# Altium PCB A车主控四层板V1.0.PcbDoc (part 2 of 2)
Units mil, origin at the board's own origin, x right, y up, seen from the top; angles counter-clockwise.
Board outline 6000 x 4000 mil, 2 copper layers (Top Layer, Bottom Layer); 110 components, 147 nets, 490 pads, 210 vias.
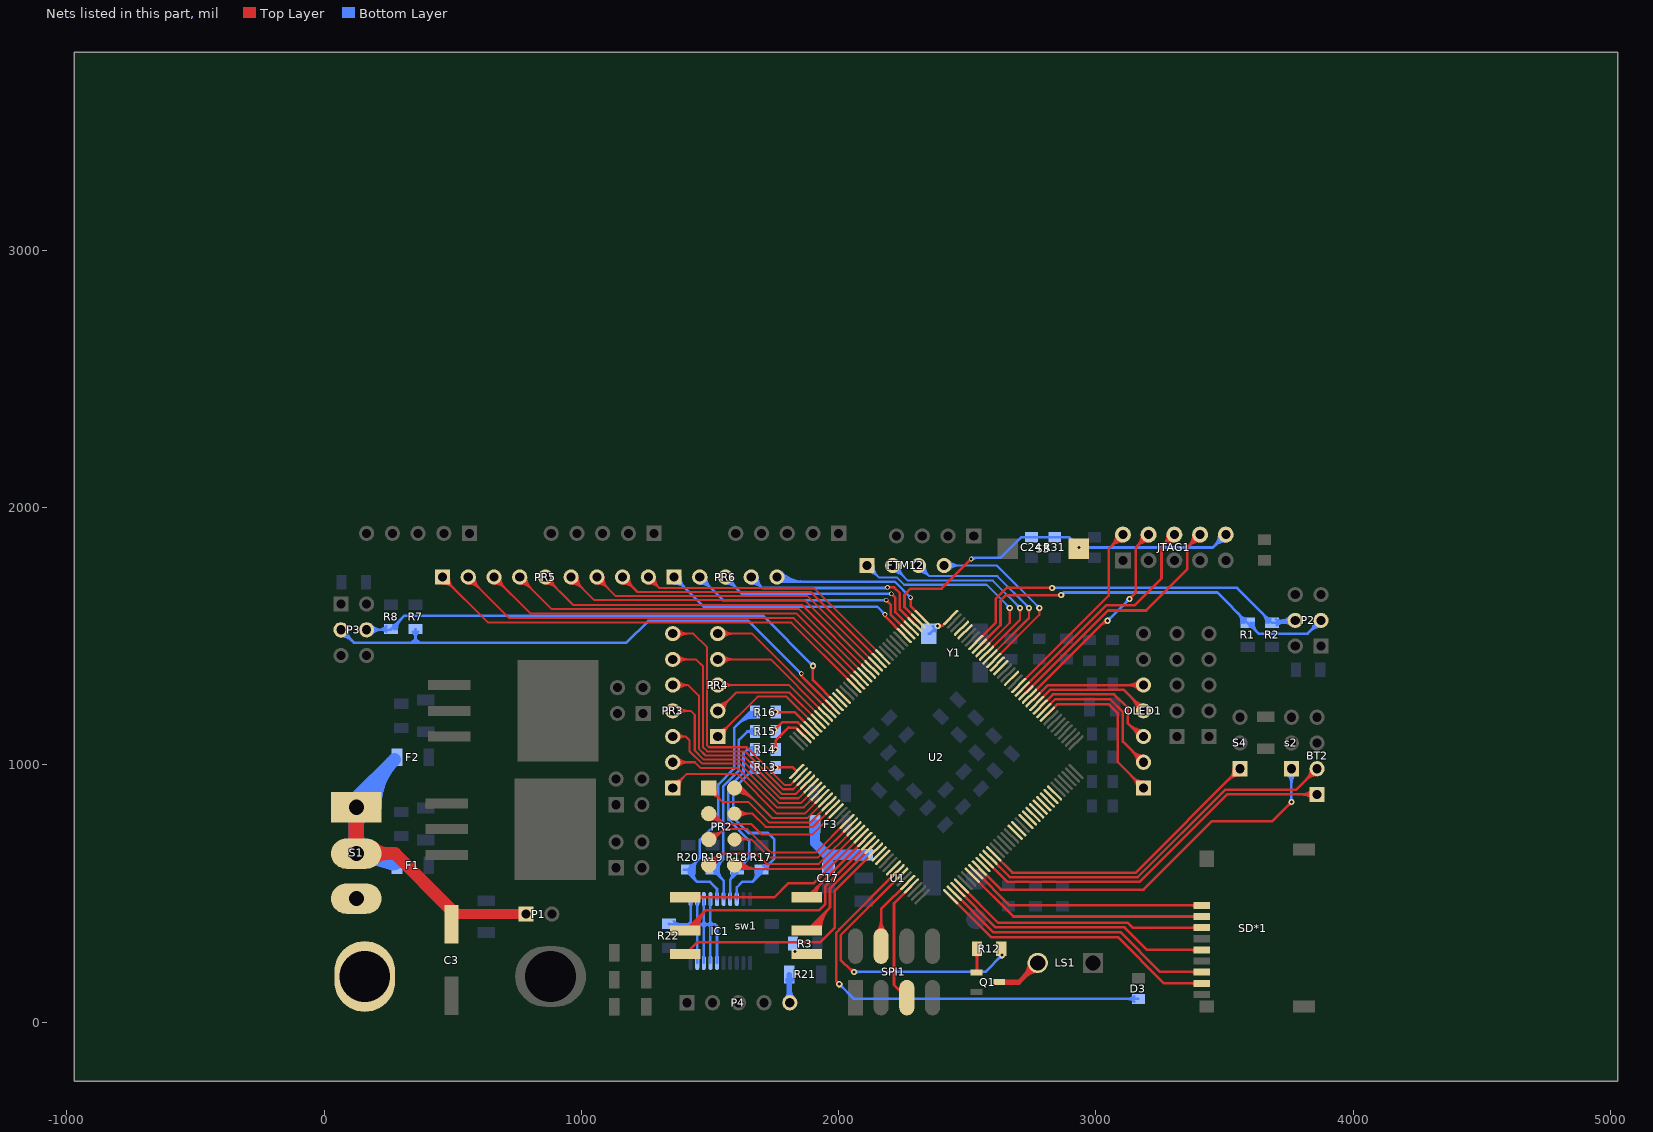
[diagram p2: the nets of this part, all layers, seen from the top]

## Via types
v1: diameter 18, hole 12, Top Layer to Bottom Layer, 160 vias
v2: diameter 24, hole 12, Top Layer to Bottom Layer, 46 vias
v3: diameter 39.37, hole 39.37, Top Layer to Bottom Layer, 2 vias
v4: diameter 30, hole 15, Top Layer to Bottom Layer, 1 vias
v5: diameter 34, hole 20, Top Layer to Bottom Layer, 1 vias

## Nets (pads, with @x,y where several pads share a name; then routed paths per layer and width w, separated by ;. In a path a pad name is that pad's centre, name@x,y a point inside that pad or via, vN(x,y) a via of type N, cw(c..) or ccw(c..) an arc to the next point about the centre after c; other vN are vias at no path point) (continued)
NetIC1_6: IC1.6 IC1.7 IC1.8 IC1.9 IC1.11 IC1.12 IC1.13 IC1.14 R22.2 | length 1428.8
  Bottom Layer w10: R22.2@1340,382.24 1342.24,380 1415,380 ; R22.2@1358.26,371.86 cw(c1377.91,352.21) 1377.91,380 ; R22.2@1358.26,392.63 ccw(c1388.74,423.11) 1388.74,380 ; IC1.11@1424.68,478.03 1424.68,389.68 ; IC1.9@1450.28,230 1450.28,370 ; IC1.12@1450.28,478.03 1450.28,390 ; IC1.8@1475.87,230 1475.87,370 ; IC1.13@1475.87,478.03 1475.87,390 ; IC1.7@1501.46,230 1501.46,370 ; IC1.14@1501.46,478.03 1501.46,390 ; IC1.6@1527.05,230 1527.05,372.95 1520,380 1511.46,380 ; 1415,380 1424.68,380 ; 1415,380 1424.68,389.68 ; 1424.68,380 1424.68,389.68 ; 1424.68,380 1425,380 1434.37,380 ; 1424.68,389.68 1434.37,380 ; 1434.37,380 1440.28,380 ; 1440.28,380 1450.28,370 ; 1440.28,380 1450.28,380 ; 1440.28,380 1450.28,390 ; 1450.28,370 1450.28,380 ; 1450.28,370 1460.28,380 ; 1450.28,380 1460.28,380 ; 1450.28,380 1450.28,390 ; 1450.28,390 1460.28,380 ; 1460.28,380 1465.87,380 ; 1465.87,380 1475.87,370 ; 1465.87,380 1475.87,380 ; 1465.87,380 1475.87,390 ; 1475.87,370 1475.87,380 ; 1475.87,370 1485.87,380 ; 1475.87,380 1485.87,380 ; 1475.87,380 1475.87,390 ; 1475.87,390 1485.87,380 ; 1485.87,380 1491.46,380 ; 1491.46,380 1501.46,370 ; 1491.46,380 1501.46,380 ; 1491.46,380 1501.46,390 ; 1501.46,370 1501.46,380 ; 1501.46,370 1511.46,380 ; 1501.46,380 1511.46,380 ; 1501.46,380 1501.46,390 ; 1501.46,390 1511.46,380
NetLS1_2: LS1.2A Q1.3 | length 292.3
  Top Layer w20: Q1.3@2624.29,155 2700,155 LS1.2A@2774.43,229.43 ; 2723.1,178.1 ccw(c2671.29,229.92) LS1.2A@2744.57,229.92 ; 2725.48,180.48 cw(c2773.94,132.02) LS1.2A@2773.94,200.55
NetP4_5: P4.5 R21.2 | length 225.3
  Bottom Layer w20: P4.5@1796.19,88.81 ccw(c1767.7,117.3) 1807.99,117.3 ; R21.2@1800.45,163.68 cw(c1782.23,145.46) 1807.99,145.46 cw(c1833.75,145.46) R21.2@1815.54,163.68 ; 1807.99,126.99 ccw(c1861.99,126.99) P4.5@1823.81,88.81 ; R21.2@1807.99,185 1807.99,77.01 P4.5@1810,75
NetQ1_2: Q1.1 R12.1 | length 167.5
  Top Layer w10: R12.1@2527.37,266.74 cw(c2502.3,241.67) 2537.76,241.67 cw(c2573.21,241.67) R12.1@2548.14,266.74 ; Q1.1@2530.89,197.22 ccw(c2514.32,213.79) 2537.76,213.79 ; Q1.1@2535.71,192.4 2537.76,194.45 R12.1@2537.76,285
NetR3_2: R3.2 sw1.4
  other v1: 1830,275
NetR13_1: R13.1 U2.109 | length 115.2
  Top Layer w10: v2(1755,990) 1821.69,990 U2.109@1837.26,974.43 ; v2@1759.95,985.05 cw(c1771.9,973.1) 1771.9,990 cw(c1771.9,1006.9) v2@1759.95,994.95
NetR14_1: R14.1 U2.106 | length 223.7
  Top Layer w10: v2@1750.05,1064.95 ccw(c1738.1,1076.9) 1755,1076.9 ccw(c1771.9,1076.9) v2@1759.95,1064.95 ; v2(1755,1060) 1755,1095 1805.18,1145.18 ; 1805.36,1145 1833.5,1145 U2.106@1865.09,1113.4 ; 1823.82,1145 cw(c1823.82,1121.62) U2.106@1840.34,1138.15
NetR15_1: R15.1 U2.105 | length 183.6
  Top Layer w10: v2(1750,1135) 1780,1165 1841.34,1165 U2.105@1879.01,1127.32 ; v2@1750,1142 ccw(c1750,1158.9) 1761.95,1146.95 ccw(c1773.9,1135) v2@1757,1135
NetR16_1: R16.1 U2.104 | length 190.9
  Top Layer w10: v2(1755,1205) 1829.18,1205 U2.104@1892.93,1141.24 ; v2@1759.95,1200.05 cw(c1771.9,1188.1) 1771.9,1205 cw(c1771.9,1221.9) v2@1759.95,1209.95
OLEDCLK: OLED1.5 U2.49 | length 601.2
  Top Layer w10: U2.49@2755.71,1252.6 2813.11,1310 OLED1.5@3185,1310 ; OLED1.5@3167.66,1292.66 ccw(c3125.79,1250.79) 3125.79,1310 ccw(c3125.79,1369.21) OLED1.5@3167.66,1327.34 ; OLED1.5@3174.73,1299.73 ccw(c3149.93,1274.93) 3149.93,1310 ccw(c3149.93,1345.07) OLED1.5@3174.73,1320.27
OLEDCS: OLED1.1 U2.45 | length 783.6
  Top Layer w10: U2.45@2811.39,1196.92 2849.47,1235 3050.36,1235 3085,1200.36 3085,1010 OLED1.1@3185,910 ; OLED1.1@3160.47,910 ccw(c3101.26,910) 3143.13,951.87 ccw(c3185,993.74) OLED1.1@3185,934.53 ; OLED1.1@3170.47,910 ccw(c3135.4,910) 3160.2,934.8 ccw(c3185,959.6) OLED1.1@3185,924.53
OLEDDC: OLED1.2 U2.46 | length 723.2
  Top Layer w10: U2.46@2797.47,1210.84 2841.63,1255 3055.81,1255 3105,1205.81 3105,1090 OLED1.2@3185,1010 ; OLED1.2@3160.47,1010 ccw(c3101.26,1010) 3143.13,1051.87 ccw(c3185,1093.74) OLED1.2@3185,1034.53 ; OLED1.2@3170.47,1010 ccw(c3135.4,1010) 3160.2,1034.8 ccw(c3185,1059.6) OLED1.2@3185,1024.53
OLEDMISO: OLED1.4 U2.48 | length 604.4
  Top Layer w10: U2.48@2769.63,1238.68 2822.95,1292 3108,1292 3185,1215 OLED1.4@3185,1210 ; 3139.59,1260.41 cw(c3089.19,1210) OLED1.4@3160.47,1210 ; 3151.66,1248.34 ccw(c3185,1281.67) OLED1.4@3185,1234.53 ; 3156.66,1243.34 cw(c3123.33,1210) OLED1.4@3170.47,1210
OLEDRST: OLED1.3 U2.47 | length 664.4
  Top Layer w10: U2.47@2783.55,1224.76 2832.79,1274 3071,1274 3123,1222 3123,1162 3175,1110 OLED1.3@3185,1110 ; 3126.06,1158.94 ccw(c3185,1217.88) OLED1.3@3185,1134.53 ; 3143.13,1141.87 ccw(c3185,1183.74) OLED1.3@3185,1124.53 ; 3150.2,1134.8 cw(c3125.4,1110) OLED1.3@3160.47,1110
PCS0: SPI1.6 U2.140 | length 439
  Top Layer w10: SPI1.6@2147.66,351.71 ccw(c2105.79,393.58) 2165,393.58 ccw(c2224.21,393.58) SPI1.6@2182.34,351.71 ; SPI1.6@2154.73,344.64 ccw(c2129.93,369.44) 2165,369.44 ccw(c2200.07,369.44) SPI1.6@2175.27,344.64 ; SPI1.6@2165,295 2165,439.18 U2.140@2268.76,542.93
"PGA0 DM": U2.28
"PGA0 PM": U2.27
"PGA1 DM": U2.30
"PGA1 PM": U2.29
"PGA2 DM": U2.24
"PGA2 DP": U2.23
"PGA3 DM": U2.26
"PGA3 PM": U2.25
PTA5: U2.55
PTA6: U2.58
PTA7: U2.59
PTA8: FTM12.4 U2.60 | length 940.1
  Top Layer w8: U2.60@2602.6,1405.71 2780,1583.11 v2(2780,1610) ; v2@2774.34,1604.34 cw(c2760.69,1590.69) 2780,1590.69 cw(c2799.31,1590.69) v2@2785.66,1604.34
  Bottom Layer w8: FTM12.4@2410,1775 2615,1775 v2(2780,1610) ; FTM12.4@2422.39,1762.61 cw(c2452.32,1732.68) 2452.32,1775 cw(c2452.32,1817.32) FTM12.4@2422.39,1787.39 ; FTM12.4@2428.05,1756.95 cw(c2471.63,1713.37) 2471.63,1775 cw(c2471.63,1836.63) FTM12.4@2428.05,1793.05 ; v2@2772,1610 ccw(c2752.69,1610) 2766.34,1623.66 ccw(c2780,1637.31) v2@2780,1618
PTA9: FTM12.3 U2.61 | length 968.6
  Top Layer w8: U2.61@2588.68,1419.63 2740,1570.95 v2(2740,1610) v2@2740,1615 ; v2@2734.34,1604.34 cw(c2720.69,1590.69) 2740,1590.69 cw(c2759.31,1590.69) v2@2745.66,1604.34
  Bottom Layer w8: FTM12.3@2310,1775 2351.53,1733.47 ; FTM12.3@2310.61,1757.48 cw(c2311.91,1719.89) 2338.51,1746.49 cw(c2365.11,1773.09) FTM12.3@2327.52,1774.39 ; FTM12.3@2310.89,1749.49 cw(c2312.79,1694.73) 2351.53,1733.47 ; FTM12.3@2335.51,1774.11 ccw(c2390.27,1772.21) 2351.53,1733.47 ; v2@2732,1610 ccw(c2712.69,1610) 2726.34,1623.66 ccw(c2740,1637.31) v2@2740,1618 ; v2(2740,1610) 2616.53,1733.47 2351.53,1733.47
PTA10: FTM12.2 U2.62 | length 1022.7
  Top Layer w8: U2.62@2574.76,1433.55 2705,1563.79 v2(2705,1610) v2@2705,1615 ; v2@2699.34,1604.34 cw(c2685.69,1590.69) 2705,1590.69 cw(c2724.31,1590.69) v2@2710.66,1604.34
  Bottom Layer w8: FTM12.2@2210,1749.47 cw(c2210,1687.84) 2253.58,1731.42 cw(c2297.16,1775) FTM12.2@2235.53,1775 ; FTM12.2@2210,1757.47 cw(c2210,1715.16) 2239.92,1745.08 cw(c2269.84,1775) FTM12.2@2227.53,1775 ; FTM12.2@2210,1775 2269,1716 2599,1716 v2(2705,1610) ; v2@2697,1610 ccw(c2677.69,1610) 2691.34,1623.66 ccw(c2705,1637.31) v2@2705,1618
PTA11: FTM12.1 U2.63 | length 1053
  Top Layer w8: U2.63@2560.84,1447.47 2665,1551.63 v2(2665,1610) ; v2@2659.34,1604.34 cw(c2645.69,1590.69) 2665,1590.69 cw(c2684.31,1590.69) v2@2670.66,1604.34
  Bottom Layer w8: FTM12.1@2110,1749.47 cw(c2110,1687.84) 2153.58,1731.42 cw(c2197.16,1775) FTM12.1@2135.53,1775 ; FTM12.1@2110,1757.47 cw(c2110,1715.16) 2139.92,1745.08 cw(c2169.84,1775) FTM12.1@2127.53,1775 ; FTM12.1@2110,1775 2156,1729 2226,1729 2255,1700 2575,1700 v2(2665,1610) ; v2@2657,1610 ccw(c2637.69,1610) 2651.34,1623.66 ccw(c2665,1637.31) v2@2665,1618
PTA12: P2.3 R1.1 U2.64 | length 1865
  Top Layer w10: U2.64@2546.92,1461.39 2629,1543.47 2629,1638.54 2650.46,1660 v2(2865,1660)
  Bottom Layer w10: v2(2865,1660) 2875,1670 3472.24,1670 R1.1@3590,1552.24 3632.24,1510 3823.32,1510 P2.3@3875,1561.68 ; 3551.49,1590.75 cw(c3512.98,1552.24) R1.1@3567.44,1552.24 ; 3568.56,1573.68 cw(c3547.12,1552.24) R1.1@3577.44,1552.24 ; R1.1@3570.5,1571.75 ccw(c3582.13,1583.37) R1.1@3582.13,1566.93 ; R1.1@3597.87,1537.56 cw(c3597.87,1521.12) R1.1@3609.5,1532.74 ; R1.1@3602.56,1552.24 ccw(c3632.88,1552.24) 3611.44,1530.8 ; R1.1@3612.56,1552.24 ccw(c3667.02,1552.24) 3628.51,1513.73 ; P2.3@3850.47,1561.68 cw(c3791.26,1561.68) 3833.13,1519.81 cw(c3875,1477.94) P2.3@3875,1537.15 ; P2.3@3860.47,1561.68 cw(c3825.4,1561.68) 3850.2,1536.88 cw(c3875,1512.08) P2.3@3875,1547.15
PTA13: P2.4 R2.2 U2.65 | length 1815.2
  Top Layer w10: U2.65@2533,1475.31 2611,1553.31 2611,1646 2653,1688 v2(2830,1688)
  Bottom Layer w10: v2(2830,1688) 3549.24,1688 R2.2@3685,1552.24 3765.57,1552.24 P2.4@3775,1561.68 ; 3646.49,1590.75 cw(c3607.98,1552.24) R2.2@3662.44,1552.24 ; 3663.56,1573.68 cw(c3642.12,1552.24) R2.2@3672.44,1552.24 ; R2.2@3665.5,1571.75 ccw(c3677.13,1583.37) R2.2@3677.13,1566.93 ; R2.2@3693.01,1552.24 ccw(c3693.01,1643.67) P2.4@3757.66,1579.02 ; R2.2@3700.22,1564.96 ccw(c3718,1595.77) 3727.21,1561.41 ; R2.2@3703.26,1541.86 cw(c3728.33,1516.79) 3728.33,1552.24 cw(c3728.33,1587.7) R2.2@3703.26,1562.63 ; R2.2@3705.59,1544.9 cw(c3736.19,1527.24) 3727.05,1561.36 ; 3717.15,1552.24 ccw(c3717.15,1619.52) P2.4@3764.73,1571.95 ; 3738.56,1552.24 cw(c3738.56,1525.24) P2.4@3757.66,1544.33 ; 3741.3,1552.24 ccw(c3741.3,1595.38) P2.4@3771.8,1564.88
PTA16: U2.68
PTA17: U2.69
PTA18: U2.72 Y1.3 | length 228.2
  Top Layer w10: v2(2385,1540) 2402.82,1540 U2.72@2435.57,1572.74 ; v2@2389.95,1535.05 cw(c2401.9,1523.1) 2401.9,1540 cw(c2401.9,1556.9) v2@2389.95,1544.95
  Bottom Layer w10: Y1.3@2350,1510 2355,1510 v2(2385,1540) cw(c2375.07,1549.93) Y1.3@2366.05,1539.16 ; Y1.3@2375,1520 cw(c2399.14,1520) v2@2382.07,1537.07 ; Y1.3@2375.51,1525.71 cw(c2388.66,1518.12) v2@2386.16,1533.1 ; Y1.3@2376.92,1528.14 ccw(c2365.45,1534.76) Y1.3@2378.24,1538.19 ; Y1.3@2378,1540 cw(c2361.1,1540) 2373.05,1528.05 cw(c2385,1516.1) v2@2385,1533
PTA19: PR6.5 U2.73 | length 944.5
  Top Layer w10: v1@2277.17,1647.17 cw(c2270.34,1640.34) 2280,1640.34 cw(c2289.66,1640.34) v1@2282.83,1647.17 ; v1(2280,1650) 2280,1617.18 U2.73@2324.43,1572.74
  Bottom Layer w10: PR6.5@1756.13,1726.13 ccw(c1790.24,1760.24) 1790.24,1712 ; PR6.5@1760,1730 1778,1712 2218,1712 v1(2280,1650) ; PR6.5@1763.2,1733.2 ccw(c1814.39,1784.39) 1814.39,1712 ; PR6.5@1770.27,1740.27 ccw(c1838.53,1808.53) 1838.53,1712 ; PR6.5@1777.34,1747.34 ccw(c1862.67,1832.67) 1862.67,1712 ; v1@2276,1650 ccw(c2266.34,1650) 2273.17,1656.83 ccw(c2280,1663.66) v1@2280,1654
PTA24: PR6.4 U2.75 | length 930.2
  Top Layer w10: v1(2190,1690) 2215,1690 2238,1667 2238,1603.5 U2.75@2296.59,1544.91 ; v1@2192.83,1687.17 cw(c2199.66,1680.34) 2199.66,1690 cw(c2199.66,1699.66) v1@2192.83,1692.83
  Bottom Layer w10: PR6.4@1660,1705.47 cw(c1660,1646.26) 1701.87,1688.13 cw(c1743.74,1730) PR6.4@1684.53,1730 ; PR6.4@1660,1715.47 cw(c1660,1680.4) 1684.8,1705.2 cw(c1709.6,1730) PR6.4@1674.53,1730 ; PR6.4@1660,1730 1702.53,1687.47 2187.47,1687.47 v1(2190,1690) ; 2174.24,1687.47 ccw(c2174.24,1705.76) v1@2187.17,1692.83
PTA25: PR6.3 U2.76 | length 1016.6
  Top Layer w10: v1@2205,1661 cw(c2205,1651.34) 2211.83,1658.17 cw(c2218.66,1665) v1@2209,1665 ; v1(2205,1665) 2220,1650 2220,1593.66 U2.76@2282.68,1530.99
  Bottom Layer w10: PR6.3@1560,1705.47 cw(c1560,1646.26) 1601.87,1688.13 cw(c1643.74,1730) PR6.3@1584.53,1730 ; PR6.3@1560,1715.47 cw(c1560,1680.4) 1584.8,1705.2 cw(c1609.6,1730) PR6.3@1574.53,1730 ; PR6.3@1560,1730 1625,1665 v1(2205,1665) ; v1@2202.17,1662.17 ccw(c2195.34,1655.34) 2195.34,1665 ccw(c2195.34,1674.66) v1@2202.17,1667.83
PTA26: PR6.2 U2.77 | length 1098.3
  Top Layer w10: v1@2185,1636 cw(c2185,1626.34) 2191.83,1633.17 cw(c2198.66,1640) v1@2189,1640 ; v1(2185,1640) 2202,1623 2202,1583.82 U2.77@2268.76,1517.07
  Bottom Layer w10: PR6.2@1460,1705.47 cw(c1460,1646.26) 1501.87,1688.13 cw(c1543.74,1730) PR6.2@1484.53,1730 ; PR6.2@1460,1715.47 cw(c1460,1680.4) 1484.8,1705.2 cw(c1509.6,1730) PR6.2@1474.53,1730 ; PR6.2@1460,1730 1550,1640 v1(2185,1640) ; v1@2182.17,1637.17 ccw(c2175.34,1630.34) 2175.34,1640 ccw(c2175.34,1649.66) v1@2182.17,1642.83
PTA27: PR6.1 U2.78 | length 1156.2
  Top Layer w10: v1(2180,1585) 2180,1577.98 U2.78@2254.84,1503.15
  Bottom Layer w10: PR6.1@1360,1705.47 cw(c1360,1646.26) 1401.87,1688.13 cw(c1443.74,1730) PR6.1@1384.53,1730 ; PR6.1@1360,1715.47 cw(c1360,1680.4) 1384.8,1705.2 cw(c1409.6,1730) PR6.1@1374.53,1730 ; PR6.1@1360,1730 1475,1615 2150,1615 v1(2180,1585) ; v1@2176,1585 ccw(c2166.34,1585) 2173.17,1591.83 ccw(c2180,1598.66) v1@2180,1589
PTB3: PR5.9 U2.84 | length 1194.1
  Top Layer w8: PR5.9@1260,1730 1302,1688 ; PR5.9@1260.46,1712.48 cw(c1261.49,1673.81) 1288.84,1701.16 cw(c1316.19,1728.51) PR5.9@1277.52,1729.54 ; PR5.9@1260.68,1704.48 cw(c1262.17,1648.17) 1302,1688 ; PR5.9@1285.52,1729.32 ccw(c1341.83,1727.83) 1302,1688 ; U2.84@2171.32,1419.63 1902.95,1688 1302,1688
PTB4: PR5.8 U2.85 | length 1295
  Top Layer w8: PR5.8@1160,1704.47 cw(c1160,1642.84) 1203.58,1686.42 cw(c1247.16,1730) PR5.8@1185.53,1730 ; PR5.8@1160,1712.47 cw(c1160,1670.16) 1189.92,1700.08 cw(c1219.84,1730) PR5.8@1177.53,1730 ; PR5.8@1160,1730 1218,1672 1891.11,1672 U2.85@2157.4,1405.71
PTB5: PR5.7 U2.86 | length 1386.8
  Top Layer w8: PR5.7@1060,1704.47 cw(c1060,1642.84) 1103.58,1686.42 cw(c1147.16,1730) PR5.7@1085.53,1730 ; PR5.7@1060,1712.47 cw(c1060,1670.16) 1089.92,1700.08 cw(c1119.84,1730) PR5.7@1077.53,1730 ; PR5.7@1060,1730 1134,1656 1879.27,1656 U2.86@2143.48,1391.79
PTB6: PR5.6 U2.87 | length 1478.7
  Top Layer w8: PR5.6@960,1704.47 cw(c960,1642.84) 1003.58,1686.42 cw(c1047.16,1730) PR5.6@985.53,1730 ; PR5.6@960,1712.47 cw(c960,1670.16) 989.92,1700.08 cw(c1019.84,1730) PR5.6@977.53,1730 ; PR5.6@960,1730 1050,1640 1867.44,1640 U2.87@2129.56,1377.87
PTB7: PR5.5 U2.88 | length 1570.5
  Top Layer w8: PR5.5@860,1704.47 cw(c860,1642.84) 903.58,1686.42 cw(c947.16,1730) PR5.5@885.53,1730 ; PR5.5@860,1712.47 cw(c860,1670.16) 889.92,1700.08 cw(c919.84,1730) PR5.5@877.53,1730 ; PR5.5@860,1730 968.47,1621.53 1858.07,1621.53 U2.88@2115.64,1363.95
PTB8: PR5.4 U2.89 | length 1662.4
  Top Layer w8: PR5.4@760,1704.47 cw(c760,1642.84) 803.58,1686.42 cw(c847.16,1730) PR5.4@785.53,1730 ; PR5.4@760,1712.47 cw(c760,1670.16) 789.92,1700.08 cw(c819.84,1730) PR5.4@777.53,1730 ; PR5.4@760,1730 884.47,1605.53 1846.23,1605.53 U2.89@2101.72,1350.03
PTB9: PR5.3 U2.90 | length 1754.2
  Top Layer w8: PR5.3@660,1704.47 cw(c660,1642.84) 703.58,1686.42 cw(c747.16,1730) PR5.3@685.53,1730 ; PR5.3@660,1712.47 cw(c660,1670.16) 689.92,1700.08 cw(c719.84,1730) PR5.3@677.53,1730 ; PR5.3@660,1730 801.47,1588.53 1835.39,1588.53 U2.90@2087.8,1336.12
PTB10: PR5.2 U2.91 | length 1846.1
  Top Layer w8: PR5.2@560,1704.47 cw(c560,1642.84) 603.58,1686.42 cw(c647.16,1730) PR5.2@585.53,1730 ; PR5.2@560,1712.47 cw(c560,1670.16) 589.92,1700.08 cw(c619.84,1730) PR5.2@577.53,1730 ; PR5.2@560,1730 719.47,1570.53 1825.55,1570.53 U2.91@2073.88,1322.2
PTB11: PR5.1 U2.92 | length 1937.9
  Top Layer w8: PR5.1@460,1704.47 cw(c460,1642.84) 503.58,1686.42 cw(c547.16,1730) PR5.1@485.53,1730 ; PR5.1@460,1712.47 cw(c460,1670.16) 489.92,1700.08 cw(c519.84,1730) PR5.1@477.53,1730 ; PR5.1@460,1730 637.47,1552.53 1815.71,1552.53 U2.92@2059.97,1308.28
PTB16: U2.95
PTB17: U2.96
PTB18: P3.4 R8.1 U2.97 | length 2358.7
  Top Layer w10: v2@1895.05,1380.05 cw(c1883.1,1368.1) 1900,1368.1 cw(c1916.9,1368.1) v2@1904.95,1380.05 ; v2(1900,1385) 1900,1329.05 U2.97@1990.37,1238.68
  Bottom Layer w10: P3.4@165,1525 257.24,1525 R8.1@260,1527.76 312.24,1580 1705,1580 v2(1900,1385) ; P3.4@175.27,1514.73 cw(c200.07,1489.93) 200.07,1525 cw(c200.07,1560.07) P3.4@175.27,1535.27 ; P3.4@182.34,1507.66 cw(c224.21,1465.79) 224.21,1525 cw(c224.21,1584.21) P3.4@182.34,1542.34 ; 210.02,1525 ccw(c210.02,1569.86) R8.1@241.74,1538.14 ; 223.33,1525 cw(c223.33,1498.96) R8.1@241.74,1517.37 ; R8.1@267.87,1542.44 ccw(c267.87,1558.88) R8.1@279.5,1547.26 ; R8.1@272.56,1527.76 cw(c302.88,1527.76) 281.44,1549.2 ; R8.1@282.56,1527.76 cw(c337.02,1527.76) 298.51,1566.27 ; v2@1893,1385 ccw(c1876.1,1385) 1888.05,1396.95 ccw(c1900,1408.9) v2@1900,1392
PTB19: P3.3 R7.2 U2.98 | length 2412.1
  Top Layer w10: v1(1855,1355) 1855,1346.21 U2.98@1976.45,1224.76
  Bottom Layer w10: P3.3@65,1500.47 cw(c65,1441.26) 106.87,1483.13 cw(c148.74,1525) P3.3@89.53,1525 ; P3.3@65,1510.47 cw(c65,1475.4) 89.8,1500.2 cw(c114.6,1525) P3.3@79.53,1525 ; P3.3@65,1525 115,1475 340,1475 ; R7.2@344.62,1517.37 cw(c319.55,1492.3) 355,1492.3 cw(c390.45,1492.3) R7.2@365.38,1517.37 ; R7.2@355,1527.76 355,1490 ; v1(1855,1355) 1855,1353.79 1648.79,1560 1260,1560 1175,1475 370,1475 ; 340,1475 355,1490 ; 340,1475 355,1475 ; 355,1475 370,1475 ; 355,1475 355,1490 ; 355,1490 370,1475
PTB20: PR4.5 U2.99 | length 719.7
  Top Layer w8: PR4.5@1530,1510 1663.37,1510 U2.99@1962.53,1210.84 ; PR4.5@1542.39,1497.61 cw(c1572.32,1467.68) 1572.32,1510 cw(c1572.32,1552.32) PR4.5@1542.39,1522.39 ; PR4.5@1548.05,1491.95 cw(c1591.63,1448.37) 1591.63,1510 cw(c1591.63,1571.63) PR4.5@1548.05,1528.05
PTB21: PR4.4 U2.100 | length 670.1
  Top Layer w8: PR4.4@1530,1410 1735.53,1410 U2.100@1948.61,1196.92 ; PR4.4@1542.39,1397.61 cw(c1572.32,1367.68) 1572.32,1410 cw(c1572.32,1452.32) PR4.4@1542.39,1422.39 ; PR4.4@1548.05,1391.95 cw(c1591.63,1348.37) 1591.63,1410 cw(c1591.63,1471.63) PR4.4@1548.05,1428.05
PTB22: PR4.3 U2.101 | length 620.6
  Top Layer w8: PR4.3@1530,1310 1807.69,1310 U2.101@1934.69,1183 ; PR4.3@1542.39,1297.61 cw(c1572.32,1267.68) 1572.32,1310 cw(c1572.32,1352.32) PR4.3@1542.39,1322.39 ; PR4.3@1548.05,1291.95 cw(c1591.63,1248.37) 1591.63,1310 cw(c1591.63,1371.63) PR4.3@1548.05,1328.05
PTB23: PR4.2 U2.102 | length 629.8
  Top Layer w8: PR4.2@1530,1210 1601,1281 1808.85,1281 U2.102@1920.77,1169.08 ; PR4.2@1530,1227.53 ccw(c1530,1269.84) 1559.92,1239.92 ccw(c1589.84,1210) PR4.2@1547.53,1210 ; PR4.2@1530,1235.53 ccw(c1530,1297.16) 1573.58,1253.58 ccw(c1617.16,1210) PR4.2@1555.53,1210
PTC0: PR4.1 U2.103 | length 649.8
  Top Layer w8: PR4.1@1530,1110 1685,1265 1797.01,1265 U2.103@1906.85,1155.16 ; PR4.1@1530,1127.53 ccw(c1530,1169.84) 1559.92,1139.92 ccw(c1589.84,1110) PR4.1@1547.53,1110 ; PR4.1@1530,1135.53 ccw(c1530,1197.16) 1573.58,1153.58 ccw(c1617.16,1110) PR4.1@1555.53,1110
PTC1: IC1.15 R16.2 R20.1 | length 1329.4
  Bottom Layer w10: R20.1@1397.24,592.76 R20.1@1415,592.76 ; R20.1@1417.69,593.94 ccw(c1442.18,588.34) 1424.42,570.58 ; R20.1@1418.69,578.68 cw(c1415.62,568.37) 1426.38,568.37 cw(c1443.88,568.37) R20.1@1432.46,581.63 ; R20.1@1422.87,607.44 ccw(c1422.87,623.88) R20.1@1434.5,612.26 ; R20.1@1427.44,591.71 ccw(c1463,583.59) 1437.21,557.79 ; R20.1@1427.56,592.76 cw(c1457.88,592.76) 1436.44,614.2 ; R20.1@1437.19,589.48 ccw(c1483.82,578.83) 1450,545 ; R20.1@1437.56,592.76 cw(c1492.02,592.76) 1453.51,631.27 ; IC1.15@1527.05,478.03 1527.05,517.95 1500,545 1450,545 ; 1606.72,1156.72 cw(c1675,1088.43) R16.2@1675,1185 ; 1623.79,1173.79 cw(c1675,1122.57) R16.2@1675,1195 ; 1640.86,1190.86 cw(c1675,1156.72) R16.2@1675,1205 1655,1205 1594,1144 1594,985.37 1532.56,923.93 1532.56,780.43 1460,707.87 1460,637.76 R20.1@1415,592.76 ; R20.1@1415,592.76 1426.38,581.38 1426.38,568.62 1450,545
PTC2: IC1.16 R15.2 R19.1 | length 956.3
  Bottom Layer w10: R19.1@1517.87,578.07 cw(c1517.87,561.63) R19.1@1529.5,573.25 ; R19.1@1517.87,607.44 ccw(c1517.87,623.88) R19.1@1529.5,612.26 ; 1531.44,571.32 cw(c1552.88,592.76) 1522.56,592.76 cw(c1552.88,592.76) 1531.44,614.2 ; 1548.51,554.25 cw(c1587.02,592.76) 1532.56,592.76 cw(c1587.02,592.76) 1548.51,631.27 ; IC1.16@1552.64,478.03 1552.64,550.12 R19.1@1510,592.76 1550.56,633.32 1550.56,916.47 1612,977.91 1612,1097 1645,1130 ; R15.2@1663,1121 ccw(c1645,1107.5) 1645,1130 ; R15.2@1663,1139 cw(c1645,1152.5) 1645,1130 ; R15.2@1675,1130 1645,1130
PTC3: IC1.17 R14.2 R18.1 | length 893.4
  Bottom Layer w10: IC1.17@1578.23,478.03 1578.23,553.23 1605,580 R18.1@1605,592.76 1651.73,639.49 1651.73,706.14 1571,786.87 1571,911.46 1630,970.46 1630,1045 1645,1060 ; 1578.23,553.23 ccw(c1557.65,573.81) R18.1@1583.89,586.4 ; 1588.21,563.21 ccw(c1571.14,580.28) R18.1@1592.9,590.73 ; R18.1@1612.87,607.44 ccw(c1612.87,623.88) R18.1@1624.5,612.26 ; R18.1@1617.56,592.76 cw(c1647.88,592.76) 1626.44,614.2 ; R18.1@1627.56,592.76 cw(c1682.02,592.76) 1643.51,631.27 ; R14.2@1663,1051 ccw(c1645,1037.5) 1645,1060 ; R14.2@1663,1069 cw(c1645,1082.5) 1645,1060 ; R14.2@1675,1060 1645,1060
PTC4: IC1.18 R13.2 R17.1 | length 988
  Bottom Layer w10: IC1.18@1603.82,478.03 1603.82,523.82 1625,545 1665,545 ; 1640.86,955.86 cw(c1675,921.72) R13.2@1675,970 ; 1652.93,967.93 ccw(c1635.86,985) R13.2@1660,985 ; R13.2@1657.93,972.93 cw(c1675,955.86) R13.2@1675,980 ; R13.2@1675,990 1590,905 1590,795 1650,735 1725,735 1750,710 1750,635 1707.76,592.76 R17.1@1700,592.76 1700,580 1665,545 ; 1677.79,557.79 ccw(c1652,583.59) R17.1@1687.56,591.71 ; R17.1@1677.81,589.48 cw(c1631.18,578.83) 1665,545 ; 1690.58,570.58 ccw(c1672.82,588.34) R17.1@1697.31,593.94 ; R17.1@1707.87,607.44 ccw(c1707.87,642.61) 1732.74,617.74 ; R17.1@1722.56,592.76 cw(c1758.3,592.76) 1733.03,618.03
PTC5: PR3.7 U2.110 | length 1143
  Top Layer w8: PR3.7@1355,1510 1435,1510 1488.47,1456.53 1488.47,1075.5 1495.5,1068.47 1642.59,1068.47 1790.06,921 1811.66,921 U2.110@1851.17,960.51 ; PR3.7@1367.39,1497.61 cw(c1397.32,1467.68) 1397.32,1510 cw(c1397.32,1552.32) PR3.7@1367.39,1522.39 ; PR3.7@1373.05,1491.95 cw(c1416.63,1448.37) 1416.63,1510 cw(c1416.63,1571.63) PR3.7@1373.05,1528.05
PTC6: PR3.6 U2.111 | length 1083.5
  Top Layer w8: PR3.6@1355,1410 1445,1410 1472.47,1382.53 1472.47,1068.87 1488.87,1052.47 1635.96,1052.47 1783.43,905 1823.5,905 U2.111@1865.09,946.59 ; PR3.6@1367.39,1397.61 cw(c1397.32,1367.68) 1397.32,1410 cw(c1397.32,1452.32) PR3.6@1367.39,1422.39 ; PR3.6@1373.05,1391.95 cw(c1416.63,1348.37) 1416.63,1410 cw(c1416.63,1471.63) PR3.6@1373.05,1428.05
PTC7: PR3.5 U2.112 | length 996.5
  Top Layer w8: PR3.5@1355,1310 1415,1310 ; PR3.5@1367.63,1297.85 cw(c1396.19,1270.36) 1396.19,1310 cw(c1396.19,1349.64) PR3.5@1367.63,1322.15 ; PR3.5@1373.39,1292.3 cw(c1415,1252.26) 1415,1310 ; PR3.5@1373.39,1327.7 ccw(c1415,1367.74) 1415,1310 ; U2.112@1879.01,932.68 1832.34,886 1779.8,886 1629.33,1036.47 1482.25,1036.47 1456.47,1062.25 1456.47,1268.53 1415,1310
PTC8: PR3.4 U2.113 | length 943.6
  Top Layer w8: PR3.4@1355,1210 1425,1210 1440.47,1194.53 1440.47,1055.62 1475.62,1020.47 1622.7,1020.47 1773.18,870 1844.18,870 U2.113@1892.93,918.76 ; PR3.4@1367.39,1197.61 cw(c1397.32,1167.68) 1397.32,1210 cw(c1397.32,1252.32) PR3.4@1367.39,1222.39 ; PR3.4@1373.05,1191.95 cw(c1416.63,1148.37) 1416.63,1210 cw(c1416.63,1271.63) PR3.4@1373.05,1228.05
PTC9: PR3.3 U2.114 | length 821.1
  Top Layer w8: PR3.3@1355,1110 1405,1110 ; PR3.3@1369.2,1099.72 cw(c1389.33,1085.15) 1389.33,1110 cw(c1389.33,1134.85) PR3.3@1369.2,1120.28 ; PR3.3@1375.68,1095.03 cw(c1405,1073.8) 1405,1110 ; PR3.3@1375.68,1124.97 ccw(c1405,1146.2) 1405,1110 ; U2.114@1906.85,904.84 1853.02,851 1769,851 1615.53,1004.47 1468.99,1004.47 1420,1053.46 1420,1095 1405,1110
PTC10: PR3.2 U2.115 | length 824.7
  Top Layer w8: PR3.2@1355,1010 1440.84,1010 1462.36,988.47 1606.53,988.47 1760,835 1864.85,835 U2.115@1920.77,890.92 ; PR3.2@1367.39,997.61 cw(c1397.32,967.68) 1397.32,1010 cw(c1397.32,1052.32) PR3.2@1367.39,1022.39 ; PR3.2@1373.05,991.95 cw(c1416.63,948.37) 1416.63,1010 cw(c1416.63,1071.63) PR3.2@1373.05,1028.05
PTC11: PR3.1 U2.116 | length 857.7
  Top Layer w8: PR3.1@1355,910 1410,965 1605,965 1760,810 1867.69,810 U2.116@1934.69,877 ; PR3.1@1355,927.53 ccw(c1355,969.84) 1384.92,939.92 ccw(c1414.84,910) PR3.1@1372.53,910 ; PR3.1@1355,935.53 ccw(c1355,997.16) 1398.58,953.58 ccw(c1442.16,910) PR3.1@1380.53,910
PTC12: PR2.2 U2.117 | length 713.4
  Top Layer w8: PR2.2@1595,892.47 cw(c1595,777.73) 1676.13,858.87 ; PR2.2@1595,900.47 cw(c1595,805.04) 1662.48,872.52 ; PR2.2@1595,908.47 cw(c1595,832.36) 1648.82,886.18 ; PR2.2@1595,910 1625,910 ; PR2.2@1595,916.47 cw(c1595,859.67) 1635.16,899.84 ; PR2.2@1620.2,905.92 cw(c1625,905.14) 1625,910 ; PR2.2@1620.2,914.08 ccw(c1625,914.86) 1625,910 ; U2.117@1948.61,863.08 1879.53,794 1741,794 1625,910
PTC13: PR2.1 U2.118 | length 728
  Top Layer w8: PR2.1@1487.5,917.5 1550,855 1650,855 1730,775 1888.37,775 U2.118@1962.53,849.16 ; PR2.1@1495,884.47 cw(c1495,822.84) 1538.58,866.42 cw(c1582.16,910) PR2.1@1520.53,910 ; PR2.1@1495,892.47 cw(c1495,850.16) 1524.92,880.08 cw(c1554.84,910) PR2.1@1512.53,910
PTC14: PR2.4 U2.119 | length 582.1
  Top Layer w8: PR2.4@1595,810 1665,810 1716,759 1900.21,759 U2.119@1976.45,835.24 ; PR2.4@1605.96,799.04 cw(c1632.42,772.58) 1632.42,810 cw(c1632.42,847.42) PR2.4@1605.96,820.96 ; PR2.4@1611.62,793.38 cw(c1651.73,753.27) 1651.73,810 cw(c1651.73,866.73) PR2.4@1611.62,826.62
PTC15: PR2.3 U2.120 | length 759.3
  Top Layer w8: PR2.3@1492.5,807.5 1517.5,807.5 1555,770 ; PR2.3@1495.36,808.52 cw(c1502.69,778.19) 1524.75,800.25 ; PR2.3@1497.24,800.74 cw(c1506.61,761.95) 1534.83,790.17 ; PR2.3@1499.12,792.96 cw(c1510.54,745.71) 1544.92,780.08 ; PR2.3@1501,785.19 cw(c1514.46,729.47) 1555,770 ; PR2.3@1520.53,810 ccw(c1533.87,810) 1524.44,800.56 ; U2.120@1990.37,821.32 1899.05,730 1700,730 1660,770 1555,770
PTC16: PR2.5 U2.123 | length 830.6
  Top Layer w8: PR2.5@1495.36,711.48 ccw(c1502.69,741.81) 1524.75,719.75 ; PR2.5@1497.24,719.26 ccw(c1506.61,758.05) 1534.83,729.83 ; PR2.5@1497.5,707.5 1512.5,707.5 1555,750 ; PR2.5@1499.12,727.04 ccw(c1510.54,774.29) 1544.92,739.92 ; PR2.5@1501,734.81 ccw(c1514.46,790.53) 1555,750 ; PR2.5@1520.53,710 cw(c1533.87,710) 1524.44,719.44 ; U2.123@2032.13,779.56 1912.56,660 1735,660 1645,750 1555,750
PTC17: PR2.6 U2.124 | length 635.4
  Top Layer w8: PR2.6@1595,710 1660,710 1730,640 1920.4,640 U2.124@2046.05,765.64 ; PR2.6@1605.96,699.04 cw(c1632.42,672.58) 1632.42,710 cw(c1632.42,747.42) PR2.6@1605.96,720.96 ; PR2.6@1611.62,726.62 ccw(c1651.73,766.73) 1651.73,710
PTC18: PR2.7 U2.125 | length 810
  Top Layer w8: PR2.7@1495,610 1540,655 1680,655 1720,615 1923.24,615 U2.125@2059.97,751.72 ; PR2.7@1495,627.53 ccw(c1495,669.84) 1524.92,639.92 ccw(c1554.84,610) PR2.7@1512.53,610 ; PR2.7@1495,635.53 ccw(c1495,697.16) 1534.87,650.16 ; PR2.7@1520.53,610 cw(c1582.16,610) 1535.18,649.89
PTC19: PR2.8 U2.126 | length 807.7
  Top Layer w8: PR2.8@1595,610 1610,595 1931.08,595 U2.126@2073.89,737.8 ; PR2.8@1596.08,611.08 ccw(c1634.9,649.9) 1634.9,595 ; PR2.8@1601.74,616.74 ccw(c1654.21,669.21) 1654.21,595 ; PR2.8@1607.39,622.39 ccw(c1673.53,688.53) 1673.53,595 ; PR2.8@1613.05,628.05 ccw(c1692.84,707.84) 1692.84,595
PTD0: sw1.1 U2.127 | length 838.6
  Top Layer w10: sw1.1@1403.78,485.24 1750.24,485.24 1805,540 1903.92,540 U2.127@2087.8,723.88 ; sw1.1@1453.53,474.85 cw(c1478.6,449.78) 1478.6,485.24 cw(c1478.6,520.69) sw1.1@1453.53,495.62
PTD1: sw1.6 U2.128 | length 457
  Top Layer w10: sw1.6@1876.61,484.85 U2.128@2101.72,709.96 ; sw1.6@1880.28,485.24 cw(c1888.2,485.24) sw1.6@1882.6,490.84 ; sw1.6@1890.28,485.24 cw(c1922.34,485.24) 1899.67,507.91 ; sw1.6@1900.28,485.24 cw(c1956.48,485.24) 1916.74,524.98 ; sw1.6@1910.28,485.24 cw(c1990.62,485.24) 1933.81,542.05
PTD2: sw1.2 U2.129 | length 1195.1
  Top Layer w10: sw1.2@1403.78,355.32 1483.46,435 ; sw1.2@1408.2,350.26 cw(c1424.72,352.65) sw1.2@1412.92,364.45 ; sw1.2@1418.1,351.69 cw(c1449.37,356.22) 1427.03,378.56 ; sw1.2@1427.99,353.12 cw(c1474.02,359.78) 1441.13,392.67 ; sw1.2@1437.89,354.55 cw(c1498.67,363.35) 1455.24,406.78 ; sw1.2@1447.79,355.99 cw(c1523.32,366.92) 1469.35,420.89 ; sw1.2@1457.68,357.42 cw(c1547.97,370.49) 1483.46,435 ; U2.129@2115.64,696.05 1948.28,528.68 1948.28,458.28 1925,435 1483.46,435
PTD3: sw1.5 U2.130 | length 756.7
  Top Layer w10: sw1.5@1876.22,355.32 1966.28,445.37 ; sw1.5@1880.28,354.53 cw(c1891.39,354.78) sw1.5@1883.53,362.63 ; sw1.5@1890.28,354.75 cw(c1923.76,355.5) 1900.08,379.18 ; sw1.5@1900.28,354.97 cw(c1956.14,356.22) 1916.63,395.72 ; sw1.5@1910.28,355.2 cw(c1988.51,356.94) 1933.18,412.27 ; sw1.5@1920.27,355.42 cw(c2020.88,357.66) 1949.72,428.82 ; sw1.5@1930.27,355.64 cw(c2053.26,358.38) 1966.27,445.37 ; U2.130@2129.56,682.13 1966.28,518.84 1966.28,445.37
PTD4: sw1.3 U2.131 | length 990.4
  Top Layer w10: sw1.3@1403.78,264.76 1449.02,310 1928.03,310 1984.28,366.25 1984.28,509 U2.131@2143.48,668.21
PTD5: U2.132
PTD6: U2.133
PTD7: U2.136
PTD8: D3.2 U2.137 | length 1837.1
  Top Layer w10: v2@1995.28,147.28 ccw(c1978.38,147.28) 1990.33,159.23 ccw(c2002.28,171.18) v2@2002.28,154.28 ; v2(2002.28,147.28) 1990,159.55 1990,346.51 2002.28,358.79 2002.28,359.97 U2.137@2227,584.69
  Bottom Layer w10: v2@2002.28,140.28 cw(c2002.28,123.38) 2014.23,135.33 cw(c2026.18,147.28) v2@2009.28,147.28 ; v2(2002.28,147.28) 2059.55,90 D3.2@3165,90 ; D3.2@3149.39,79.39 ccw(c3123.79,53.79) 3123.79,90 ccw(c3123.79,126.21) D3.2@3149.39,100.61
PTD9: R12.2 U2.138 | length 1162.4
  Top Layer w10: 2039.51,210.49 ccw(c2060,230.97) v2@2060,202 ; v2@2050,200 2008,242 2008,337.54 2240.92,570.46 U2.138@2240.92,570.77
  Bottom Layer w10: v2(2060,195) 2570,195 v2(2635,260) ; v2@2064.95,190.05 cw(c2076.9,178.1) 2076.9,195 cw(c2076.9,211.9) v2@2064.95,199.95 ; v2@2628,260 cw(c2611.1,260) 2623.05,248.05 cw(c2635,236.1) v2@2635,253
PTD12: SPI1.3 U2.141 | length 482.8
  Top Layer w10: SPI1.3@2265,95 2215,145 2215,461.34 U2.141@2282.68,529.01
PTE0: SD*1.8 U2.1 | length 1148.4
  Top Layer w10: U2.1@2435.57,487.25 2592.82,330 3085,330 3264.35,150.65 SD*1.8@3411.24,150.65 ; SD*1.8@3387.31,144.44 ccw(c3372.32,129.45) 3372.32,150.65 ccw(c3372.32,171.84) SD*1.8@3387.31,156.85
PTE1: SD*1.7 U2.2 | length 1122.3
  Top Layer w10: U2.2@2449.49,501.17 2600.66,350 3095,350 3250,195 3410.19,195 SD*1.7@3411.24,193.95 ; 3369.8,195 cw(c3369.8,170.23) SD*1.7@3387.31,187.74 ; 3374.85,195 ccw(c3374.85,212.62) SD*1.7@3387.31,200.16
PTE2: SD*1.5 U2.3 | length 1078.3
  Top Layer w10: U2.3@2463.4,515.09 2610.5,368 3112,368 3199.43,280.57 SD*1.5@3411.24,280.57 ; SD*1.5@3387.31,274.36 ccw(c3372.32,259.37) 3372.32,280.57 ccw(c3372.32,301.76) SD*1.5@3387.31,286.78
PTE3: SD*1.3 U2.4 | length 1034.2
  Top Layer w10: U2.4@2477.32,529.01 2620.34,386 3124,386 3142.82,367.18 SD*1.3@3411.24,367.18 ; SD*1.3@3387.31,360.97 ccw(c3372.32,345.99) 3372.32,367.18 ccw(c3372.32,388.38) SD*1.3@3387.31,373.39
PTE4: SD*1.2 U2.7 | length 991.8
  Top Layer w10: U2.7@2519.08,570.77 2679.37,410.49 SD*1.2@3411.24,410.49 ; SD*1.2@3387.31,404.28 ccw(c3372.32,389.29) 3372.32,410.49 ccw(c3372.32,431.68) SD*1.2@3387.31,416.7
PTE5: SD*1.1 U2.8 | length 965.7
  Top Layer w10: U2.8@2533,584.69 2663.9,453.8 SD*1.1@3411.24,453.8 ; SD*1.1@3387.31,447.59 ccw(c3372.32,432.6) 3372.32,453.8 ccw(c3372.32,474.99) SD*1.1@3387.31,460
PTE6: s2.1 U2.9 | length 1719.7
  Top Layer w10: U2.9@2546.92,598.61 2630.53,515 3185,515 3450,780 3685,780 v2(3760,855) ; v2@3753,855 cw(c3736.1,855) 3748.05,843.05 cw(c3760,831.1) v2@3760,848
  Bottom Layer w10: s2.1@3742.66,967.66 cw(c3700.79,925.79) 3760,925.79 cw(c3819.21,925.79) s2.1@3777.34,967.66 ; s2.1@3749.73,974.73 cw(c3724.93,949.93) 3760,949.93 cw(c3795.07,949.93) s2.1@3770.27,974.73 ; v2@3755.05,859.95 ccw(c3743.1,871.9) 3760,871.9 ccw(c3776.9,871.9) v2@3764.95,859.95 ; v2(3760,855) s2.1@3760,985
PTE7: U2.10
PTE8: BT2.1 U2.11 | length 1607.9
  Top Layer w10: U2.11@2574.76,626.45 2656.21,545 3170,545 3510,885 BT2.1@3860,885 ; BT2.1@3842.66,867.66 ccw(c3800.79,825.79) 3800.79,885 ccw(c3800.79,944.21) BT2.1@3842.66,902.34 ; BT2.1@3849.73,874.73 ccw(c3824.93,849.93) 3824.93,885 ccw(c3824.93,920.07) BT2.1@3849.73,895.27
PTE9: BT2.2 U2.12 | length 1626.3
  Top Layer w10: U2.12@2588.68,640.37 2666.05,563 3162.54,563 3502.54,903 3778,903 BT2.2@3860,985 ; BT2.2@3835.47,985 cw(c3776.26,985) 3818.13,943.13 cw(c3860,901.26) BT2.2@3860,960.47 ; BT2.2@3845.47,985 cw(c3810.4,985) 3835.2,960.2 cw(c3860,935.4) BT2.2@3860,970.47
PTE10: S4.1 U2.13 | length 1303.2
  Top Layer w10: U2.13@2602.6,654.29 2675.89,581 3155.09,581 3559.09,985 S4.1@3560,985 ; 3516.57,942.48 cw(c3560,899.06) S4.1@3560,960.47 ; 3518.77,944.69 ccw(c3478.46,985) S4.1@3535.47,985 ; S4.1@3533.64,959.56 cw(c3560,933.2) S4.1@3560,970.47 ; S4.1@3535.84,961.76 ccw(c3512.6,985) S4.1@3545.47,985
RESET: C24.2 JTAG1.10 R31.1 S3.2 U2.74 | length 1725.8
  Top Layer w10: U2.74@2310.51,1558.83 2256,1613.34 2256,1661 2280,1685 2400,1685 v1(2515,1800) ; v1@2511,1800 cw(c2501.34,1800) 2508.17,1793.17 cw(c2515,1786.34) v1@2515,1796
  Bottom Layer w10: v1(2515,1800) 2520,1805 2630,1805 2710,1885 2895,1885 v2(2935,1845) 3455,1845 JTAG1.10@3505,1895 ; v1@2517.83,1797.17 cw(c2536.73,1778.27) 2536.73,1805 ; v2@2939.95,1840.05 cw(c2951.9,1828.1) 2951.9,1845 cw(c2951.9,1861.9) v2@2939.95,1849.95 ; JTAG1.10@3479,1895 cw(c3416.23,1895) 3460.62,1850.62 cw(c3505,1806.23) JTAG1.10@3505,1869 ; JTAG1.10@3489,1895 cw(c3450.37,1895) 3477.69,1867.69 cw(c3505,1840.37) JTAG1.10@3505,1879
TCK: JTAG1.4 U2.50 | length 1096.7
  Top Layer w10: U2.50@2741.79,1266.52 3035.28,1560 v2(3045,1560) ; 3016.45,1541.17 cw(c3045,1512.62) v2@3045,1553 ; v2(3130,1645) 3155,1670 3155,1845 JTAG1.4@3205,1895 ; v2@3130,1652 ccw(c3130,1668.9) 3141.95,1656.95 ccw(c3153.9,1645) v2@3137,1645 ; JTAG1.4@3179,1895 cw(c3116.23,1895) 3160.62,1850.62 cw(c3205,1806.23) JTAG1.4@3205,1869 ; JTAG1.4@3189,1895 cw(c3150.37,1895) 3177.69,1867.69 cw(c3205,1840.37) JTAG1.4@3205,1879
  Bottom Layer w10: v2(3045,1560) v2(3130,1645) ; v2@3045,1567 ccw(c3045,1583.9) 3056.95,1571.95 ccw(c3068.9,1560) v2@3052,1560 ; v2@3123,1645 cw(c3106.1,1645) 3118.05,1633.05 cw(c3130,1621.1) v2@3130,1638
TDI: JTAG1.8 U2.51 | length 1140.8
  Top Layer w10: U2.51@2727.87,1280.44 3047.44,1600 3195,1600 3355,1760 3355,1845 JTAG1.8@3405,1895 ; JTAG1.8@3379,1895 cw(c3316.23,1895) 3360.62,1850.62 cw(c3405,1806.23) JTAG1.8@3405,1869 ; JTAG1.8@3389,1895 cw(c3350.37,1895) 3377.69,1867.69 cw(c3405,1840.37) JTAG1.8@3405,1879
TDO: JTAG1.6 U2.52 | length 1069.4
  Top Layer w10: U2.52@2713.95,1294.36 3039.6,1620 3150,1620 3255,1725 3255,1845 JTAG1.6@3305,1895 ; JTAG1.6@3279,1895 cw(c3216.23,1895) 3260.62,1850.62 cw(c3305,1806.23) JTAG1.6@3305,1869 ; JTAG1.6@3289,1895 cw(c3250.37,1895) 3277.69,1867.69 cw(c3305,1840.37) JTAG1.6@3305,1879
TMS: JTAG1.2 U2.53 | length 913.7
  Top Layer w10: U2.53@2700.04,1308.28 3050,1658.24 3050,1840 JTAG1.2@3105,1895 ; JTAG1.2@3079,1895 cw(c3016.23,1895) 3060.62,1850.62 cw(c3105,1806.23) JTAG1.2@3105,1869 ; JTAG1.2@3089,1895 cw(c3050.37,1895) 3077.69,1867.69 cw(c3105,1840.37) JTAG1.2@3105,1879
USB0_DM: U2.20
USB0_DP: U2.19
VBAT: pad.1 S1.2
VCC: C3.1 F1.1 F2.1 P1.1 S1.0 S1.1 | length 2445.9
  Top Layer w40: C3.1@500,435 515,420 P1.1@785,420 ; C3.1@500.35,432.59 ccw(c530.74,462.98) 530.74,420
  Top Layer w50: S1.1@125,655 275,655 495,435 C3.1@495,380 ; S1.1@188.45,630.92 cw(c246.59,572.78) 246.59,655 cw(c246.59,737.22) S1.1@188.45,679.08
  Top Layer w60: S1.1@125,655 S1.0@125,835
  Bottom Layer w40: S1.0@125,835 S1.0@125,872.01
  Bottom Layer w50: S1.0@98.43,834.21 cw(c124.77,834.52) S1.0@106.14,853.15 ; S1.1@125,655 F1.1@269.66,613.8 ; S1.0@125,872.01 274,1021 ccw(c456.47,838.52) S1.0@198.42,835.41 ; S1.0@148.43,834.81 cw(c290.62,836.52) 190.07,937.07 ; S1.1@194.13,671.56 ccw(c298.14,729.46) F1.1@265.53,614.97 ; 249.25,624.72 ccw(c272.85,664.15) F1.1@284.05,619.58 ; 258.65,616.93 ccw(c268.18,650.39) F1.1@285.1,620
  Bottom Layer w60: S1.1@104.45,675.55 ccw(c54.85,725.15) 125,725.15 ccw(c195.15,725.15) S1.1@145.55,675.55 ; S1.0@104.45,814.45 cw(c54.85,764.85) 125,764.85 cw(c195.15,764.85) S1.0@145.55,814.45 ; S1.1@125,655 S1.0@125,835
VCCA: C17.2 F3.1 U1.3 | length 334
  Bottom Layer w30: 1960,645.55 1965,650.55
  Bottom Layer w40: F3.1@1907.99,770 1907.99,697.01 1954.45,650.55 1965,650.55 U1.3@2097.13,650.55 ; C17.2@1960,600 1960,645.55
VREGIN: U2.22
pads on no net: P2.5 P2.6 P3.5 P3.6 SD*1.10 SD*1.11 SD*1.12 SD*1.13 Y1.1
copper on no net:
  other v3: 3824.62,170.33 3824.62,485.29

## Polygon pours and split planes (outlines as drawn)
VBAT on Top Layer "Keep-Out Layer-No Net" (solid, remove dead copper, pour order 2): 0,540 0,0 285,0 285,190 285,540 0,540
EGND on Top Layer "Keep-Out Layer-No Net" (solid, remove dead copper, pour order 12): 325,0 325,140 435,250 575,250 590,265 590,370 1150,370 1150,0
GND on Top Layer "Keep-Out Layer-No Net" (solid, remove dead copper, pour order 11): 0,1975 0,915 325,915 325,455 1185,455 1185,0 3935,0 3940,0 3940,1970
VBAT on Bottom Layer "Keep-Out Layer-No Net" (solid, remove dead copper, pour order 4): 0,540 0,0 285,0 285,540
EGND on Bottom Layer "Keep-Out Layer-No Net" (solid, remove dead copper, pour order 8): 325,0 325,140 425,240 435,250 575,250 590,265 590,325 590,370 1150,370 1150,0
GND on Bottom Layer "Keep-Out Layer-No Net" (solid, remove dead copper, pour order 10): 2190,975 2355,810 2570,1025 2355,1240 2140,1025
GND on Bottom Layer "Keep-Out Layer-No Net" (solid, remove dead copper, pour order 9): 0,1975 0,915 300,915 325,915 325,455 1185,455 1185,0 3945,0 3945,1970

## Keep-outs
Keep-Out Layer:
  lines w9.65: 0,78.74 ccw(c78.74,78.74) 78.74,0 ; 0,1811.02 cw(c157.48,1811.02) 157.48,1968.5 ; 3775,1968.5 cw(c3777.26,1808.76) 3937.01,1811.02 ; 3858.27,0 ccw(c3858.27,78.74) 3937.01,78.74
  lines w10: 0,78.74 0,1811.02 ; 78.74,0 3858.27,0 ; 157.48,1968.5 3779.53,1968.5 ; 3937.01,78.74 3937.01,1811.02

## Other copper
Top Layer:
  text "2016" at 110.59,990.79 h50 r90
  text "张艳松" at 150.94,990.79 h50 r90
  text "武汉理工大学" at 69.25,989.8 h50 r90
  text "李锐戈" at 243.46,989.8 h50 r90
  text "袁佳威" at 194.25,988.82 h50 r90
  text "外形" at 4195,965 h100
  text "除去一个正交解码" at 4180,805 h100
  text "预留双系统并口" at 4190,640 h100
  text "保留SD进行系统辨识测试" at 4075,475 h100
  text "舵机应该升压" at 4005,285 h118.11
  text "需要大量io，排针排线" at 4070,155 h100

## Silkscreen, mask and mechanical layers (free items; w line width, h text height)
Top Overlay:
  text "BT" at 2130,1880 h50
  text "5V" at 2265,1840 h40
  text "GND" at 2345,1840 h40
  text "B1" at 1075,1820 h30
  text "B0" at 1820,1820 h30
  text "A29" at 1885,1820 h30
  text "A28" at 1995,1820 h30
  text "LED_B" at 3600,1810 h30 r90
  text "B2" at 355,1805 h30
  text "GND" at 860,1805 h50
  text "3.3V" at 955,1805 h50
  text "GND" at 1580,1805 h50
  text "3.3V" at 1670,1805 h50
  text "GND" at 140,1800 h50
  text "3.3V" at 230,1800 h50
  text "B11" at 445,1785 h30
  text "B10" at 545,1785 h30
  text "B9" at 650,1785 h30
  text "B8" at 750,1785 h30
  text "B7" at 850,1785 h30
  text "B6" at 955,1785 h30
  text "B5" at 1050,1785 h30
  text "B4" at 1150,1785 h30
  text "B3" at 1250,1785 h30
  text "A27" at 1345,1785 h30
  text "A26" at 1445,1785 h30
  text "A25" at 1545,1785 h30
  text "A24" at 1645,1785 h30
  text "A19" at 1745,1785 h30
  text "GND" at 50,1740 h30
  text "5V" at 155,1740 h30
  text "A11" at 2095,1695 h30
  text "A10" at 2195,1695 h30
  text "A9" at 2305,1695 h30
  text "A8" at 2405,1695 h30
  text "A13" at 3760,1600 h30
  text "A12" at 3860,1600 h30
  text "C5" at 1275,1500 h30
  text "B20" at 1470,1500 h30 r90
  text "GND" at 3520,1490 h40
  text "B19" at 95,1465 h30
  text "B18" at 225,1465 h30
  text "C6" at 1275,1400 h30
  text "B21" at 1470,1400 h30 r90
  text "3.3V" at 3510,1395 h50
  text "3.3V" at 1090,1375 h30
  text "5V" at 3765,1325 h40
  text "GND" at 3855,1325 h40
  text "ADC1/ADC0SE16" at 3510,1300 h30
  text "C7" at 1420,1295 h30
  text "B22" at 1470,1295 h30 r90
  text "E12" at 3330,1250 h30
  text "E12" at 3405,1250 h30
  text "5V" at 3850,1250 h30
  text "GND" at 3540,1245 h40
  text "GND" at 3740,1245 h40
  text "C8" at 1420,1200 h30
  text "B23" at 1470,1195 h30 r90
  text "E11" at 3330,1150 h30
  text "E11" at 3400,1150 h30
  text "5V" at 3580,1125 h40
  text "5V" at 3720,1120 h40
  text "C9" at 1420,1100 h30
  text "C0" at 1470,1100 h30 r90
  text "GND" at 3875,1035 h30
  text "5V" at 1175,1005 h30
  text "C10" at 1420,1000 h30
  text "C13" at 1475,975 h30
  text "C12" at 1580,975 h30
  text "+" at 3645,975 h70
  text "E9" at 3825,930 h30
  text "E10" at 3550,905 h30
  text "E6" at 3750,905 h30
  text "C11" at 1435,895 h30 r90
  text "5V" at 655,855 h30
  text "E8" at 3820,810 h30
  text "C15" at 1435,795 h30 r90
  text "C14" at 1680,795 h30 r90
  text "C16" at 1435,695 h30 r90
  text "C17" at 1680,695 h30 r90
  text "C18" at 1435,595 h30 r90
  text "C19" at 1680,595 h30 r90
  text "GND" at 1170,510 h30
  text "D0" at 1300,475 h30
  text "0R" at 560,465 h30
  text "D1" at 1950,455 h30
  text "D11" at 2150,380 h30
  text "D13" at 2250,380 h30
  text "D15" at 2350,380 h30
  text "3.3V" at 2030,375 h50
  text "D2" at 1300,345 h30
  text "D3" at 1950,345 h30
  text "D9" at 2625,325 h30
  text "+" at 95,295 h157.48
  text "-" at 1030,275 h157.48
  text "D4" at 1300,250 h30
  text "C1" at 1405,135 h30
  text "C2" at 1500,135 h30
  text "C3" at 1600,135 h30
  text "C4" at 1700,135 h30
  text "GND" at 1795,135 h30
  text "3.3V" at 2970,125 h30
  text "LED_W" at 3250,125 h30 r90
  text "0R" at 1195,105 h30
  text "D8" at 3230,80 h30
  text "D10" at 2200,15 h30
  text "D12" at 2300,15 h30
  text "D14" at 2400,15 h30
Bottom Overlay:
  text "104" at 3030,1935 h50
  text "104" at 2760,1860 h30 r90
  text "10K" at 2850,1860 h30 r90
  text "1K" at 3660,1840 h30 r90
  text "104" at 130,1700 h30
  text "10K" at 270,1590 h30 r90
  text "10K" at 365,1590 h30 r90
  text "104" at 2705,1535 h50
  text "103" at 2815,1535 h50
  text "10uH" at 2930,1535 h50
  text "18pF" at 3060,1530 h50
  text "10K" at 3600,1520 h30 r90
  text "10K" at 3695,1520 h30 r90
  text "104" at 3835,1360 h30
  text "1M" at 2930,1340 h50 r90
  text "32KHZ" at 2930,1285 h50 r90
  text "10K" at 2930,1155 h50 r90
  text "220R" at 1725,1115 h30 r90
  text "+" at 360,1070 h70
  text "104" at 2930,1060 h50 r90
  text "F" at 350,1015 h50
  text "104" at 2395,1015 h50
  text "+" at 870,995 h70
  text "10uH" at 2930,975 h50 r90
  text "D" at 1975,870 h50
  text "103" at 2930,870 h50 r90
  text "F" at 1975,755 h50
  text "10K" at 1565,660 h30 r90
  text "+" at 355,655 h70
  text "F" at 355,600 h40
  text "+" at 880,540 h70
  text "2.2uF" at 2685,475 h30
  text "10uF" at 2780,475 h30
  text "104" at 2880,475 h30
  text "104" at 1750,325 h30
  text "0R" at 1350,320 h30
  text "10K" at 1885,295 h30
  text "0R" at 1210,260 h30
  text "0R" at 1880,175 h30
  text "1K" at 3245,140 h30 r90
  text "0R" at 1205,50 h30

## Text inside footprints (layer, text, board x,y; h text height)
C3: Top Overlay "+" at 384.07,354.79 h78.74 r270
P2: Top Overlay "2" at 3795,1361.68 h50 r90; Top Overlay "1" at 3895,1381.68 h50 r90
P3: Top Overlay "2" at 145,1725 h50 r270; Top Overlay "1" at 45,1705 h50 r270